# Altium PCB Mainboard.PcbDoc (part 4 of 4)
Units mm, origin at the board's own origin, x right, y up, seen from the top; angles counter-clockwise.
Board outline 90 x 175 mm, 2 copper layers (L1_Top, L14_Bot), stack 1.67 mm thick; 329 components, 192 nets, 950 pads, 1091 vias.
Unrouted connection lines stored in the file: 3.
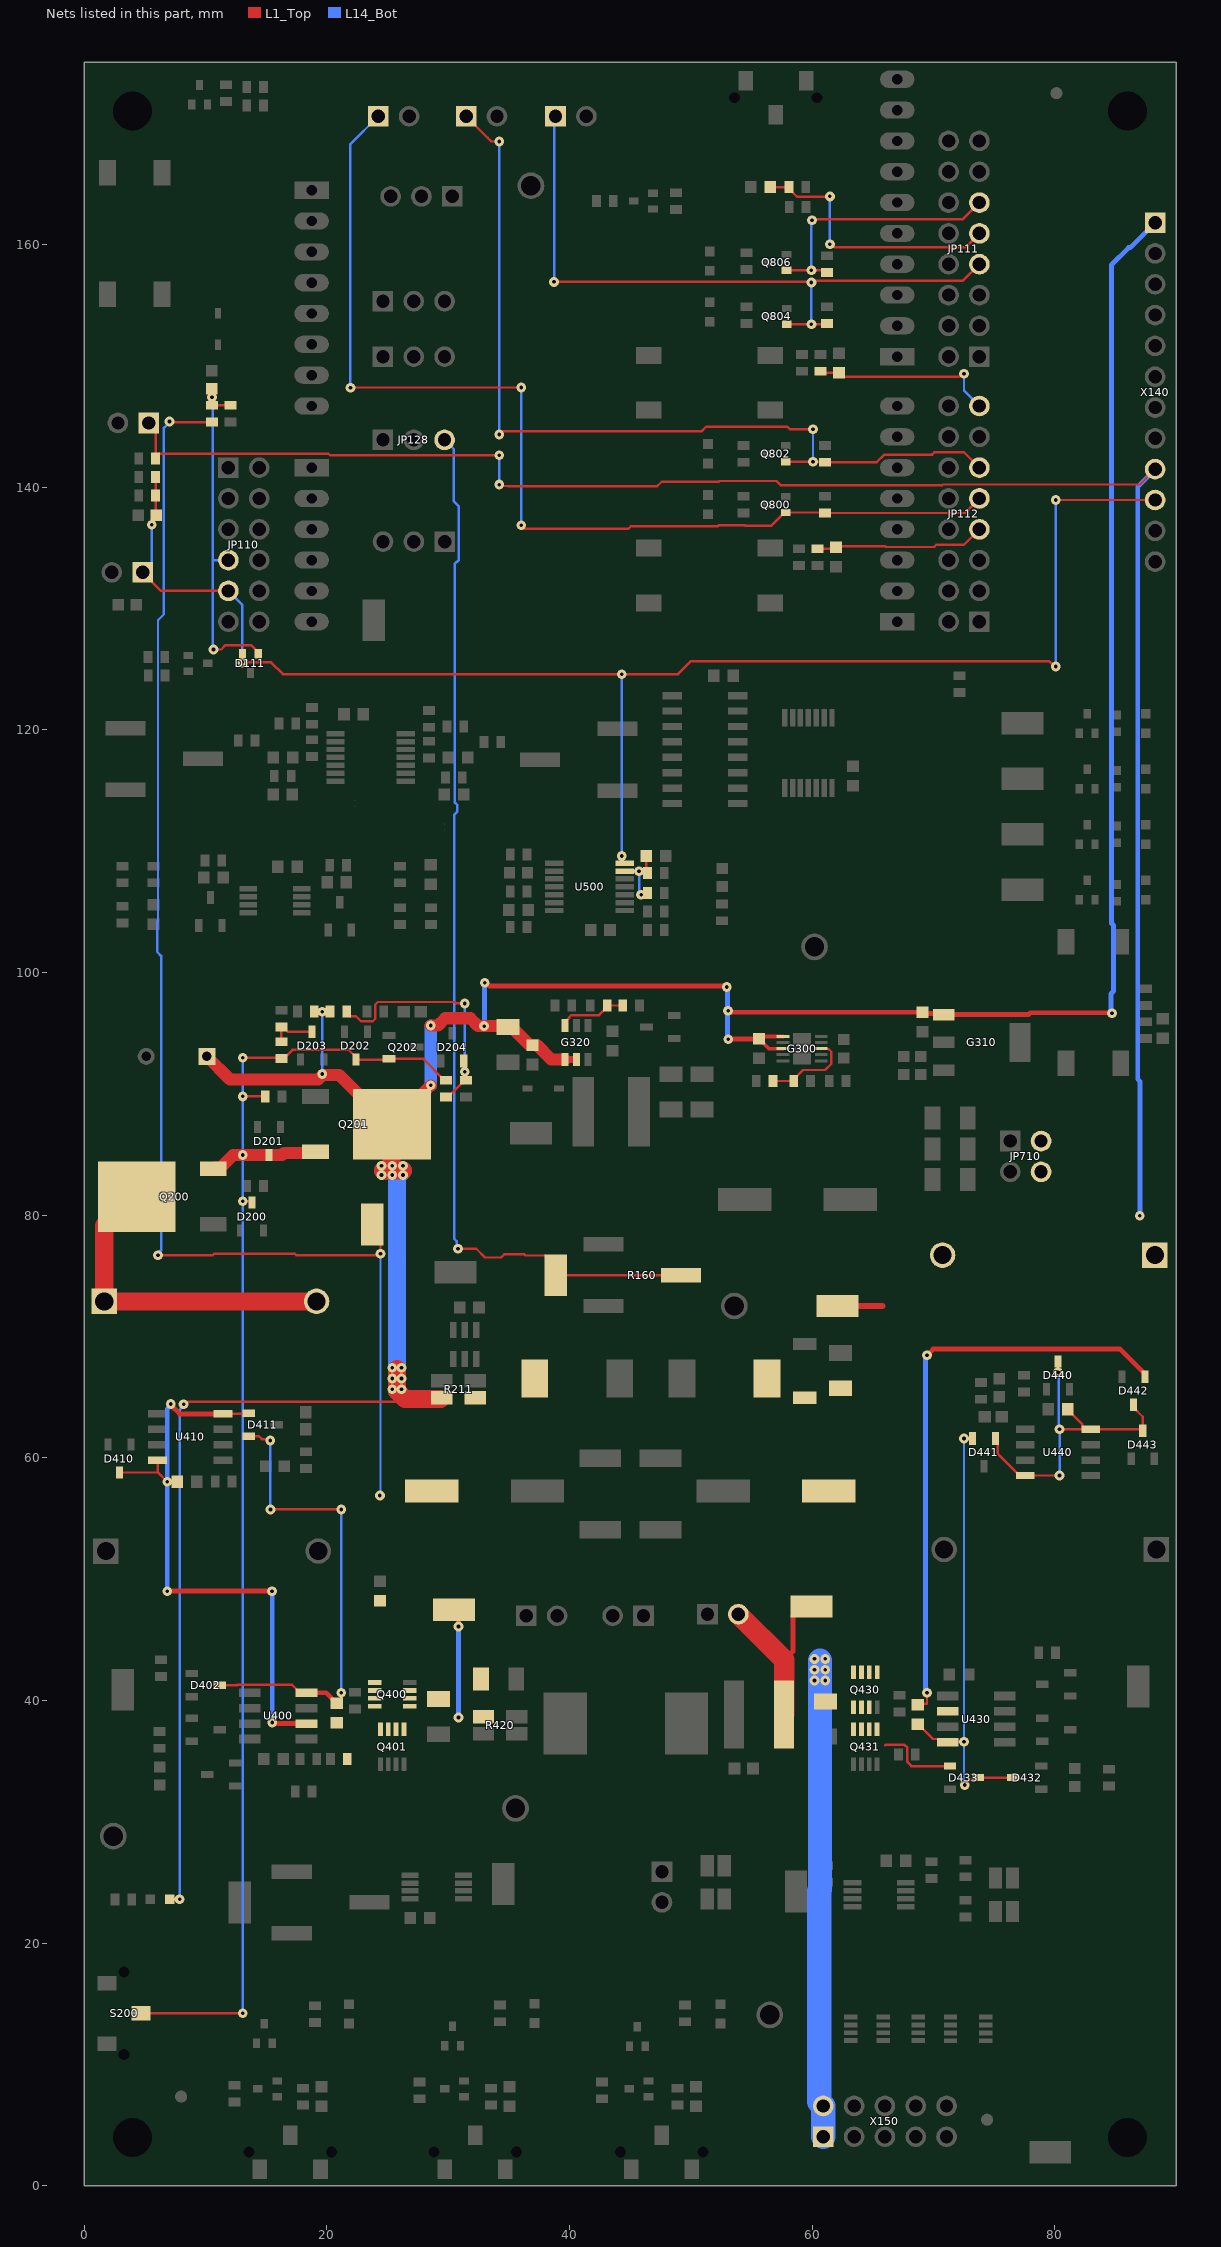
[diagram p4: the nets of this part, all layers, seen from the top]

## Via types
v1: diameter 0.8, hole 0.3, L1_Top to L14_Bot, tented both sides, 1083 vias
v2: diameter 1, hole 0.5, L1_Top to L14_Bot, tented both sides, 6 vias
v3: diameter 1.4, hole 0.8, L1_Top to L14_Bot, tented both sides, 2 vias

## Nets (pads, with @x,y where several pads share a name; then routed paths per layer and width w, separated by ;. In a path a pad name is that pad's centre, name@x,y a point inside that pad or via, vN(x,y) a via of type N, cw(c..) or ccw(c..) an arc to the next point about the centre after c; other vN are vias at no path point) (continued)
TL431_Ref: D204.2 R206.1 R207.2 R208.1 | length 21
  L1_Top w0.2: R208.1@21.645,96.774 21.645,96.653 21.905,96.393 22.415,96.393 22.829,95.979 23.797,95.979 24.003,96.185 24.003,97.363 24.209,97.569 30.569,97.569 30.669,97.469 31.348,97.469 v1(31.369,97.448) ; R206.1@29.845,89.734 29.98,89.734 31.1,90.854 31.236,90.854 R207.2@31.496,91.114 v1@31.496,91.821 ; D204.2@31.303,92.703 31.369,92.637 v1(31.369,91.821)
  L14_Bot w0.2: v1(31.369,91.821) v1(31.369,97.448)
UserBtn1: C811.2 JP112.7 R811.1 | length 14
  L1_Top w0.2: R811.1@60.446,134.929 61.866,134.929 62.051,135.114 66.042,135.114 66.093,135.063 70.039,135.063 70.231,135.255 72.517,135.255 JP112.7@73.787,136.525
UserBtn2: C813.2 JP112.15 R813.1 | length 15.4
  L1_Top w0.2: R813.1@60.706,149.551 60.816,149.441 C813.2@62.224,149.441 62.567,149.098 72.101,149.098 72.355,149.352 v1(72.517,149.352)
  L14_Bot w0.2: v1(72.517,149.352) 72.517,147.955 73.66,146.812 73.66,146.685 JP112.15@73.787,146.685
UserLED1: JP112.9 JP125.1 Q800.1 R800.2 | length 87.8
  L1_Top w0.2: v1(21.954,148.192) 21.971,148.209 v1(36.025,148.209) ; v1(36.025,136.863) 36.025,136.701 36.157,136.569 36.157,136.563 44.848,136.563 45.05,136.765 52.209,136.765 52.288,136.844 54.459,136.844 54.471,136.832 56.642,136.832 57.717,137.907 Q800.1@57.817,137.907 61.041,137.907 R800.2@61.081,137.867 72.589,137.867 JP112.9@73.787,139.065
  L14_Bot w0.2: v1(21.954,148.192) 21.971,148.209 21.954,148.226 21.954,168.264 JP125.1@24.251,170.561 ; v1(36.025,136.863) v1(36.025,148.209)
UserLED2: JP112.11 JP126.1 Q802.1 R802.2 | length 73.5
  L1_Top w0.2: JP126.1@31.49,170.561 33.27,168.781 33.567,168.484 v1(34.228,168.484) ; v1(34.225,144.334) 34.479,144.588 50.873,144.588 51.257,144.972 57.971,144.972 58.163,144.78 v1(60.071,144.78) ; Q802.1@57.817,142.098 v1(60.071,142.098) 61.041,142.098 R802.2@61.081,142.058 65.328,142.058 65.953,142.683 69.886,142.683 70.078,142.875 72.517,142.875 JP112.11@73.787,141.605
  L14_Bot w0.2: v1(34.225,144.334) 34.225,168.481 v1(34.228,168.484) ; v1(60.071,142.098) v1(60.071,144.78)
UserLED3: JP111.7 JP127.1 Q804.1 R804.2 | length 56.2
  L1_Top w0.2: v1(38.735,156.91) 59.897,156.91 v1(59.944,156.863) ; Q804.1@57.906,153.416 v1(59.944,153.416) 61.136,153.416 R804.2@61.208,153.488 ; v1@59.897,156.863 60.106,156.863 60.262,157.019 72.437,157.019 JP111.7@73.787,158.369
  L14_Bot w0.2: v1(38.735,156.91) 38.735,170.44 JP127.1@38.856,170.561 ; v1(59.944,153.416) v1(59.944,156.863)
UserLED4: JP111.11 Q806.1 R806.2 | length 21.9
  L1_Top w0.2: Q806.1@57.898,157.863 v1(59.944,157.863) 61.024,157.863 R806.2@61.208,157.679 ; v1(59.989,161.989) 60.059,162.059 72.397,162.059 JP111.11@73.787,163.449
  L14_Bot w0.2: v1(59.944,157.863) 59.944,161.944 v1(59.989,161.989)
UserPoti: JP128.3 R160.2 TP160.1 | length 87.6
  L1_Top w0.2: v1(30.818,77.236) 32.322,77.236 33.043,76.515 34.377,76.515 34.635,76.773 36.291,76.773 36.382,76.682 38.037,76.682 38.862,75.857 TP160.1@38.862,75.057 R160.2@49.199,75.057
  L14_Bot w0.2: JP128.3@29.712,143.891 30.48,143.123 30.48,138.82 30.868,138.432 30.868,133.951 30.751,133.834 30.702,133.834 30.561,133.692 30.561,114.006 30.746,113.822 30.746,113.242 30.518,113.014 30.518,78.036 30.703,77.851 30.703,77.351 v1(30.818,77.236)
UserSw: C814.2 JP111.9 R814.1 | length 22.2
  L1_Top w0.2: C814.2@56.547,164.719 R814.1@58.105,164.719 58.105,164.584 58.765,163.924 61.435,163.924 v1(61.468,163.957) ; v1(61.468,160.02) 61.63,160.02 61.891,159.759 72.637,159.759 JP111.9@73.787,160.909
  L14_Bot w0.2: v1(61.468,160.02) v1(61.468,163.957)
VA: G300.8 R302.1 R303.2 | length 7.4
  L1_Top w0.2: R303.2@56.769,91.059 R302.1@58.492,91.059 58.492,91.194 59.262,91.964 61.064,91.964 61.574,92.475 61.574,93.473 61.348,93.699 60.774,93.699 G300.8@60.749,93.724
VB_Boost: C432.2 D432.3 D433.3 D441.2 U430.8 | length 38
  L1_Top w0.2: C432.2@68.701,38.062 68.726,38.062 69.952,36.836 70.933,36.836 U430.8@71.193,36.576 71.233,36.616 v1(72.517,36.616) ; v1(72.517,61.595) 73.205,61.595 D441.2@73.212,61.602 ; v1(72.586,33.048) 73.047,33.509 73.521,33.509 D433.3@73.667,33.655 74.803,33.655 D432.3@76.574,33.655
  L14_Bot w0.2: v1(72.517,61.595) v1(72.517,36.616) 72.517,33.147 72.586,33.078 v1(72.586,33.048)
VB_Buck: C402.2 D402.3 D411.2 U400.8 | length 39.9
  L1_Top w0.2: D402.3@11.176,41.275 12.617,41.275 12.642,41.3 17.146,41.3 17.806,40.64 U400.8@18.336,40.64 ; D411.2@13.582,61.788 14.421,61.788 14.656,61.553 15.232,61.553 v1(15.347,61.438) ; v1(15.367,55.753) v1(21.209,55.753) ; C402.2@20.797,39.789 C402.2@20.822,39.789 20.834,39.789 21.209,40.164 v1(21.209,40.64)
  L1_Top w0.4: U400.8@18.336,40.64 19.946,40.64 C402.2@20.797,39.789
  L14_Bot w0.2: v1(15.347,61.438) 15.347,55.773 v1(15.367,55.753) ; v1(21.209,40.64) v1(21.209,55.753)
Vcc_555_Boost: C440.2 D440.3 D441.1 D442.3 D443.3 U440.4 U440.8 | length 28.2
  L1_Top w0.2: D441.1@75.112,61.602 75.312,61.402 75.312,60.318 77.083,58.547 U440.4@77.558,58.547 v1(80.391,58.547) ; v1(80.264,67.056) D440.3@80.264,67.952 ; v1(80.391,62.357) U440.8@82.483,62.357 ; C440.2@81.058,64.008 81.058,63.983 82.283,62.758 82.283,62.557 U440.8@82.483,62.357 ; D442.3@86.487,64.382 86.487,64.157 87.249,63.395 D443.3@87.249,62.237 87.129,62.357 U440.8@82.958,62.357 U440.8@82.483,62.357
  L14_Bot w0.2: v1(80.264,67.056) 80.328,66.992 80.328,62.42 v1(80.391,62.357) v1(80.391,58.547)
VFB: G320.3 R320.2 R321.2 | length 5.7
  L1_Top w0.2: G320.3@39.629,95.637 39.629,95.887 39.979,96.237 39.979,96.311 40.155,96.487 42.448,96.487 43.108,97.147 R321.2@43.108,97.282 R320.2@44.395,97.282
Vin: C212.1 C213.2 C220.2 C404.2 D211.1 Q400.5 Q400.6 Q400.7 Q400.8 R211.1 R220.1 TP211.1 | length 114.1
  L1_Top w0.2: v1(6.096,76.708) 10.602,76.708 10.708,76.815 17.378,76.815 17.485,76.708 24.431,76.708 24.431,78.406 24.511,78.486 TP211.1@23.749,79.248 ; v1(7.047,145.41) 7.097,145.36 R220.1@10.541,145.36
  L14_Bot w0.2: v1(6.096,76.708) 6.096,76.87 6.35,77.124 6.35,101.372 6.031,101.691 6.031,104.176 6.096,104.241 6.096,129.032 6.585,129.521 6.585,144.883 7.047,145.345 v1(7.047,145.41) ; v1(24.384,56.896) 24.431,56.943 v1(24.431,76.815)
Vin_Meas: C221.2 D111.1 JP110.7 R220.2 R221.2 | length 29.2
  L1_Top w0.2: C221.2@10.541,148.094 v1(10.541,147.417) R220.2@10.541,146.74 R221.2@12.065,146.74 ; v1(10.668,126.619) 11.303,126.619 11.66,126.976 13.766,126.976 14.366,126.376 D111.1@14.366,126.276
  L14_Bot w0.2: v1(10.541,147.417) 10.605,147.353 10.605,133.985 ; v1(10.668,126.619) 10.605,126.682 10.605,133.985 ; JP110.7@11.898,133.985 10.605,133.985
Vin_Raw: Q200.2 X100.1 X100.2 | length 27.6
  L1_Top w1.5: Q200.2@4.191,81.382 Q200.2@4.343,81.534 4.043,81.534 1.664,79.155 X100.1@1.664,72.898 X100.2@19.164,72.898
Vin_RevPol: D200.3 D201.3 D202.3 Q200.3 Q201.3 Q202.2 R202.2 R205.2 R206.2 S200.2 | length 117.1
  L1_Top w0.2: S200.2@4.696,14.224 v1(13.081,14.224) ; v1(13.081,81.153) 13.723,81.153 D200.3@13.843,81.033 ; v1(13.081,89.789) R205.2@14.931,89.789 ; v1(13.081,92.964) 16.201,92.964 R202.2@16.256,92.909 16.516,93.169 16.715,93.169 17.169,93.623 21.813,93.623 22.413,93.023 D202.3@22.413,92.823 25.059,92.823 Q202.2@25.139,92.903 27.921,92.903 29.71,91.114 R206.2@29.845,91.114
  L1_Top w1: Q200.3@10.643,83.814 10.743,83.914 11.243,83.914 12.292,84.963 v1(13.081,84.963) 13.088,84.956 16.308,84.956 16.475,85.123 18.975,85.123 Q201.3@19.075,85.223
  L14_Bot w0.2: v1(13.081,14.224) v1(13.081,81.153) v1(13.081,84.963) v1(13.081,89.789) v1(13.081,92.964)
Vin_VoltReg: C210.1 C300.2 C310.2 C320.2 C321.2 D210.2 G300.1 G300.3 G310.1 G320.4 G320.5 Q201.2 R204.2 R208.2 R211.2 X140.1 | length 273
  L1_Top w0.2: D210.2@7.061,23.622 v1(7.874,23.622) ; v1(8.205,64.427) 8.368,64.427 8.584,64.643 26.238,64.643 26.454,64.859 ; v1(19.622,91.63) v1@19.685,91.567
  L1_Top w0.3: G300.3@57.599,93.724 56.453,93.724 55.651,94.526 C300.2@55.626,94.526 55.824,94.724 G300.1@57.599,94.724
  L1_Top w0.4: R204.2@18.978,96.774 v1(19.622,96.774) R208.2@20.265,96.774 ; v1(33.02,99.148) 33.128,99.148 33.399,98.877 52.888,98.877 v1(52.959,98.806) ; v1@52.959,96.957 53.193,96.723 C310.2@69.088,96.723 69.183,96.629 70.644,96.629 70.739,96.534 77.831,96.534 77.982,96.685 84.671,96.685 v1(84.709,96.647) ; v1(53.086,94.488) 53.105,94.507 55.607,94.507 C300.2@55.626,94.526
  L1_Top w0.6: G320.4@39.629,92.837 G320.5@40.579,92.837
  L1_Top w1: C210.1@10.12,93.091 12.025,91.186 19.304,91.186 19.685,91.567 21.011,91.567 25.075,87.503 Q201.2@25.375,87.503 25.675,87.503 28.075,89.903 28.075,90.203 v1(28.575,90.703) ; v1(28.575,95.631) 29.166,95.631 29.763,96.228 31.832,96.228 32.475,95.585 v1(32.969,95.585) 34.844,95.585 C321.2@34.925,95.504 35.225,95.504 36.711,94.018 C320.2@36.957,94.018 37.322,94.018 38.503,92.837 G320.4@39.629,92.837
  L1_Top w1.5: 24.638,83.693 v1@26.289,83.693 ; Q201.2@24.638,86.741 Q201.2@25.273,87.376 ; v1@25.344,83.735 Q201.2@25.344,86.783 ; 25.781,67.31 25.781,65.532 26.454,64.859 R211.2@29.361,64.859
  L14_Bot w0.2: v1(7.874,23.622) 7.874,63.933 8.205,64.265 v1(8.205,64.427) ; v1(19.622,91.63) v1(19.622,96.774)
  L14_Bot w0.4: v1(32.969,95.585) 32.995,95.61 32.995,99.123 v1(33.02,99.148) ; v1(52.959,98.806) 53.023,98.742 53.023,94.551 v1(53.086,94.488) ; v1(84.709,96.647) 84.633,96.723 84.633,98.248 84.84,98.456 84.84,103.882 84.671,104.051 84.671,158.319 86.085,159.734 86.201,159.734 X140.1@88.265,161.798
  L14_Bot w1: v1(28.575,90.703) v1(28.575,95.631)
  L14_Bot w1.5: 24.638,83.693 26.289,83.693 25.781,83.185 25.781,65.532
  other v1: 25.4,65.659 26.162,65.659 25.4,66.548 26.162,66.548 25.4,67.437 26.162,67.437 24.511,83.312 25.4,83.312 26.289,83.312 24.511,84.074 25.4,84.074 26.289,84.074 53.076,96.84
Volt_Thresh: C503.2 R502.2 R503.1 U500.6 | length 5.8
  L1_Top w0.2: U500.6@44.556,108.361 v1@45.72,108.361 ; v1(45.74,108.35) 45.72,108.331 v1@45.72,108.361 ; v1(45.906,106.414) 46.288,106.414 R502.2@46.427,106.553 ; C503.2@46.323,109.601 46.323,108.308 46.27,108.361 v1@45.72,108.361
  L14_Bot w0.2: v1@45.72,108.33 v1(45.74,108.35) 45.74,106.531 45.857,106.414 v1(45.906,106.414)
Vout: C434.2 C700.2 C701.1 D730.1 D731.1 JP710.2 JP710.4 Q430.5 Q430.6 Q430.7 Q430.8 R720.2 TP432.1 X102.1 X102.2 X140.9 X150.1 X150.2 X720.1 | length 194.3
  L1_Top w0.2: X720.1@5.334,145.288 5.897,144.725 R720.2@5.897,142.495 ; R720.2@5.897,142.367 R720.2@5.897,142.495 ; v1(34.225,140.208) 34.34,140.093 34.949,140.093 34.961,140.081 47.244,140.081 47.606,140.443 52.301,140.443 52.365,140.507 57.061,140.507 57.425,140.143 70.699,140.143 70.771,140.215 87.002,140.215 X140.9@88.265,141.478 ; v1(34.225,142.621) 20.279,142.621 20.145,142.755 6.157,142.755 R720.2@5.897,142.495
  L1_Top w0.5: TP432.1@62.103,72.517 65.786,72.517
  L14_Bot w0.2: v1(34.225,140.208) v1(34.225,142.621)
  L14_Bot w0.4: v1(86.995,79.959) 87.033,79.997 87.033,91.009 86.833,91.209 86.833,140.046 X140.9@88.265,141.478
  L14_Bot w2: 60.657,43.307 60.657,24.414 60.581,24.338 60.581,6.935 X150.2@60.92,6.596 X150.1@60.92,4.056
  other v1: 60.198,41.656 61.087,41.656 60.198,42.545 61.087,42.545 60.198,43.434 61.087,43.434
Vout_Meas: C722.2 D111.2 JP110.9 JP723.1 R721.2 R722.2 U500.7 X140.10 | length 128.9
  L1_Top w0.2: JP723.1@4.826,132.975 6.356,131.445 JP110.9@11.898,131.445 ; v1(5.588,136.906) 5.588,137.299 C722.2@5.957,137.668 5.897,137.728 R721.2@5.897,140.843 ; D111.2@13.066,126.276 13.052,126.262 v1(13.052,125.553) 15.417,125.553 16.383,124.587 v1(44.323,124.587) 48.958,124.587 50.031,125.66 79.523,125.66 79.961,125.222 v1(80.075,125.222) ; v1(44.323,109.601) 44.323,109.136 44.448,109.011 U500.7@44.556,109.011 ; v1(80.075,138.938) X140.10@88.265,138.938
  L14_Bot w0.2: JP723.1@4.826,132.975 5.576,133.725 5.576,135.171 5.588,135.183 v1(5.588,136.906) ; JP110.9@11.898,131.445 13.052,130.291 v1(13.052,125.553) ; v1(44.323,109.601) v1(44.323,124.587) ; v1(80.075,125.222) v1(80.075,138.938)
VS_Boost: C432.1 D433.1 D442.1 JP421.2 L421.2 Q430.1 Q430.2 Q430.3 Q431.5 Q431.6 Q431.7 Q431.8 TP431.1 U430.6 | length 71.2
  L1_Top w0.2: 66.04,36.322 66.073,36.355 67.612,36.355 67.848,36.119 67.848,34.941 68.184,34.605 D433.1@71.367,34.605 ; C432.1@68.707,39.668 68.78,39.741 69.469,39.741 v1(69.469,40.64)
  L1_Top w0.4: 57.701,43.34 58.419,44.058 58.419,47.027 59.144,47.752 TP431.1@59.944,47.752 ; v1(69.469,68.453) 69.977,68.961 85.383,68.961 87.437,66.907 D442.1@87.437,66.682
  L1_Top w1.7: JP421.2@53.924,47.117 57.701,43.34 L421.2@57.701,38.862
  L14_Bot w0.4: v1(69.469,40.64) 69.392,40.717 69.392,40.999 69.342,41.05 69.342,68.218 69.469,68.345 v1(69.469,68.453)
VS_Buck: C402.1 C410.2 D410.3 D411.1 Q400.1 Q400.2 Q400.3 Q401.5 Q401.6 Q401.7 Q401.8 R402.1 R420.1 TP401.1 U400.6 U410.4 U410.8 | length 59.9
  L1_Top w0.2: D410.3@2.921,58.794 6.103,58.794 ; U410.8@6.063,59.817 6.063,58.834 6.103,58.794 ; v1(6.858,58.039) 6.103,58.794 ; U410.4@11.463,63.627 13.521,63.627 D411.1@13.582,63.688
  L1_Top w0.4: v1(6.858,49.022) v1(15.494,49.022) ; v1(6.858,58.039) C410.2@7.671,58.039 ; v1(7.142,64.445) 7.142,64.359 7.874,63.627 U410.4@11.463,63.627 ; v1(15.517,38.197) 15.614,38.1 15.621,38.1 U400.6@18.336,38.1 ; TP401.1@30.48,47.498 30.861,47.117 v1(30.861,46.101)
  L14_Bot w0.4: v1(6.858,49.022) 6.858,64.053 7.142,64.336 v1(7.142,64.445) ; v1(15.494,49.022) 15.517,48.999 v1(15.517,38.197) ; v1(30.861,38.608) v1(30.861,46.101)
Zener_20V: D203.3 R202.1 R203.2 | length 3.9
  L1_Top w0.2: R202.1@16.256,94.289 R203.2@16.256,95.504 16.391,95.504 16.772,95.123 D203.3@18.796,95.123
pads on no net: D200.2 D201.2 D202.2 D203.2 D321.2 D402.2 D405.2 D410.2 D432.2 D433.2 D435.2 D440.2 D442.2 D443.2 E100.1 E101.1 E102.1 G300.2 G300.4 G300.6 G300.7 G300.10 JP112.1 JP112.3 MP100. MP101. MP102. MP103. R524.3 R531.3 S200. S200.3 S750. S751. S752. S814. U410.5 U410.7 U440.5 U440.7 U540.13 U570.6 U570.8 U630.1 U630.5 U630.8 X110.1A X110.2A X110.4A X110.8A X110.9C X110.10C

## Polygon pours and split planes (outlines as drawn)
GND on L1_Top "GND_Top" (solid, remove dead copper, pour order 26): 0,0 90,0 90,175 0,175
H-Bridge_neg on L1_Top "H-Bridge_neg" (solid, pour order 12): 28.06,35.687 28.06,38.082 30.36,38.082 30.36,35.694 30.353,35.687 45.72,35.687 47.625,33.782 57.658,33.782 60.071,36.195 60.071,37.719 62.484,37.719 62.484,36.068 62.854,35.698 65.14,35.698 65.151,35.687 65.151,32.639 61.976,32.639 54.356,25.019 51.943,25.019 51.943,27.432 51.181,28.194 47.117,28.194 42.926,32.385 30.607,32.385 30.099,31.877 23.368,31.877 23.368,35.687
Out_neg on L1_Top "Out_neg_04" (solid, pour order 24): 72.39,12.192 58.674,12.192 58.674,14.351 60.96,16.637 75.565,16.637 77.216,18.288 79.248,18.288 79.248,14.224 72.39,14.224
Out_neg on L1_Top "Out_neg_1" (solid, pour order 20): 75.692,24.003 78.105,24.003 81.534,24.003 81.534,28.702 78.105,28.702 75.692,26.289
Out_neg on L1_Top "Out_neg_03" (solid, pour order 22): 69.215,54.483 90.17,54.483 90.17,50.292 90.297,50.165 69.215,50.165
Vout on L1_Top "Vout" (solid, pour order 18): 58.166,56.007 58.166,61.087 58.066,61.187 54.61,64.643 54.61,68.58 54.991,68.961 57.404,68.961 59.309,67.056 64.135,67.056 64.389,67.31 64.389,77.343 65.913,78.867 73.787,78.867 77.597,82.677 77.597,87.503 80.518,87.503 80.645,87.376 80.645,82.677 82.677,80.645 89.916,80.645 89.916,73.279 68.834,73.279 68.834,59.055 66.548,56.769 66.548,38.989 59.69,38.989 59.69,54.483
VS_Boost on L1_Top "VS_Boost" (solid, pour order 16): 69.85,38.608 69.85,38.354 72.771,38.354 72.771,39.878 70.231,39.878 69.469,40.64 61.976,40.64 61.976,39.243 59.944,39.243 59.055,40.132 59.055,42.418 54.61,42.418 54.61,35.179 58.801,35.179 59.563,35.941 59.563,37.338 59.817,37.592 62.484,37.592 62.484,36.068 63.108,35.444 63.108,35.395 65.748,35.395 66.421,36.068 66.421,38.354 66.675,38.608
Vin on L1_Top "Vin" (solid, pour order 15): 37.973,63.5 34.29,63.5 31.877,61.087 31.877,45.085 34.163,42.799 34.163,39.243 26.924,39.243 26.416,38.735 22.86,38.735 22.86,43.18 24.13,44.45 24.13,57.15 30.988,64.008 30.988,65.786 33.655,65.786 34.417,66.548 34.417,67.564 35.814,68.961 38.862,68.961 38.862,64.389
VS_Buck on L1_Top "VS_Buck" (solid, pour order 11): 30.48,37.973 30.734,37.719 34.29,37.719 34.29,39.878 31.115,39.878 30.48,39.243 28.194,39.243 27.813,39.624 27.813,41.275 25.908,41.275 25.908,38.862 19.939,38.862 19.812,38.989 16.891,38.989 16.891,37.211 19.431,37.211 19.431,34.671 22.225,34.671 23.241,35.687 26.797,35.687 27.813,36.703 27.813,37.592 28.194,37.973
no net on Top Overlay "NONET_L01_P-001" (solid): 28.194,161.925 28.194,162.433 32.512,162.433 32.512,161.925 32.131,161.925 32.131,162.179 28.575,162.179 28.575,161.925
no net on Top Overlay "NONET_L01_P-001" (solid): 23.114,160.655 23.114,160.528 27.432,160.528 27.432,160.655
GND on L14_Bot "GND_Bot" (solid, remove dead copper, pour order 25): 0,0 90.043,0 90.043,175.006 0,175.006
Out_neg on L14_Bot "Out_neg_2" (solid, pour order 21): 78.105,19.304 76.835,18.034 76.835,14.351 79.248,14.351 79.248,17.018 81.534,19.304 81.534,49.403 81.534,54.483 78.105,54.483 78.105,49.403

## Keep-outs
Keep-Out Layer:
  the board outline again, w0.5

## Silkscreen, mask and mechanical layers (free items; w line width, h text height)
Top Overlay:
  drawing of 3049 lines, arcs and shapes, not listed
  text "SCL" at 69.209,173.109 h1
  text "Load1" at 23.235,172.085 h1.6
  text "Load2" at 30.474,172.085 h1.6
  text "Load3" at 37.84,172.085 h1.6
  text "SDA" at 69.209,170.569 h1
  text "Off" at 52.445,170.307 h1.8 r90
  text "On" at 63.113,170.307 h1.8 r90
  text "AREF" at 75.819,167.902 h1
  text "UserSw" at 51.054,167.132 h2.3
  text "Boost Cntrl" at 23.235,165.735 h1.6
  text "GND" at 75.813,165.489 h1
  text "NC" at 14.965,163.965 h1
  text "D13" at 75.813,162.949 h1
  text "IOREF" at 12.132,161.425 h1
  text "Vin" at 81.788,161.036 h1.6
  text "Indep" at 23.114,160.655 h1.6
  text "Buck" at 28.194,160.528 h1.6
  text "D12" at 75.813,160.409 h1
  text "RESET" at 11.966,158.885 h1
  text "12 V" at 81.788,158.496 h1.6
  text "Reset" at 9.325,157.861 h1.6 r90
  text "D11" at 75.813,157.869 h1
  text "UserLED4" at 37.078,157.607 h2.3
  text "Cntrl" at 23.235,157.099 h1.6
  text "3.3V" at 13.132,156.345 h1
  text "5 V" at 81.788,155.956 h1.6
  text "D10" at 75.813,155.329 h1
  text "5V" at 14.965,153.805 h1
  text "UserLED3" at 37.078,153.416 h2.3
  text "3.3 V" at 81.788,153.416 h1.6
  text "D9" at 75.813,152.789 h1
  text "uC" at 22.981,152.368 h1.6
  text "Ext" at 28.061,152.368 h1.6
  text "GND" at 13.965,151.265 h1
  text "GND" at 81.788,150.876 h1.6
  text "D8" at 75.813,150.249 h1
  text "GND" at 13.965,148.725 h1
  text "In" at 82.423,148.336 h1.6
  text "UserBtn2" at 37.078,147.32 h2.3
  text "- Netw +" at 1.264,146.812 h1.6
  text "12V" at 14.132,146.185 h1
  text "D7" at 75.813,146.185 h1
  text "Out" at 82.423,145.796 h1.6
  text "A1" at 23.235,145.669 h1.6
  text "D6" at 75.813,143.645 h1
  text "Current" at 81.788,143.51 h1.6 r90
  text "Ind" at 82.423,143.256 h1.6
  text "UserLED2" at 36.951,141.478 h2.3
  text "A0" at 8.361,141.105 h1
  text "D5" at 75.813,141.105 h1
  text "Ind" at 23.108,141.065 h1.6
  text "Pot" at 28.188,141.065 h1.6
  text "Vout" at 80.899,140.716 h1.6
  text "A1" at 8.694,138.565 h1
  text "D4" at 75.813,138.565 h1
  text "Vmeas" at 80.899,138.176 h1.6
  text "ADC NTC" at 23.241,137.287 h1.6
  text "UserLED1" at 36.951,137.287 h2.3
  text "A2" at 8.361,136.025 h1
  text "D3" at 75.813,136.025 h1
  text "Buck" at 80.899,135.636 h1.6
  text "Filter" at 1.264,134.499 h1.6
  text "A3" at 8.361,133.475 h1
  text "D2" at 75.813,133.485 h1
  text "Boost" at 80.899,133.096 h1.6
  text "int" at 23.114,132.683 h1.6
  text "ext" at 28.194,132.683 h1.6
  text "UserBtn1" at 37.078,131.445 h2.3
  text "A4" at 8.361,130.935 h1
  text "D1" at 75.813,130.945 h1
  text "NTC int" at 25.186,129.517 h1.6
  text "A5" at 8.361,128.395 h1
  text "D0" at 75.813,128.405 h1
  text "Latch" at 47.498,125.295 h1.6
  text "Safety Circuit" at 28.702,125.222 h2.3
  text "Over-temperature" at 17.78,122.501 h1.6
  text "OR Gate" at 56.388,122.211 h1.6
  text "Internal" at 2.953,121.191 h1.6
  text "External" at 37.878,121.191 h1.6
  text "Overcurr" at 64.891,119.253 h2.3
  text "Overvolt" at 64.891,114.681 h2.3
  text "Over-current and Over-voltage" at 15.176,110.944 h1.6
  text "Overtemp Int" at 60.065,110.109 h2.3
  text "Overtemp Ext" at 59.557,105.537 h2.3
  text "Fault Reset" at 66.675,101.6 h2.3
  text "Input Protection" at 12.7,99.06 h2.3
  text "5 V Buck" at 37.719,99.06 h2.3
  text "3V3 LDO" at 67.056,97.917 h2.3
  text "12 V LDO" at 54.102,96.901 h2.3
  text "3x 10uF" at 80.518,85.217 h2.3
  text "220uF" at 80.518,82.55 h2.3
  text "User Pot" at 39.116,79.248 h2.3
  text "Vin" at 19.249,78.288 h1.6
  text "Input / Current" at 26.289,77.343 h2.3
  text "Vout" at 55.692,71.684 h1.6
  text "Chargepump" at 70.993,69.215 h2.3
  text "Chargepump" at 1.778,65.278 h2.3
  text "- Vout +" at 68.58,59.309 h3.2 r90
  text "- Vin +" at 25.273,57.531 h3.2 r90
  text "VS Boost" at 57.746,48.951 h1.6
  text "VS Buck" at 25.996,48.824 h1.6
  text "ESR / Cin" at 35.427,48.641 h1.6
  text "ESR / Cout" at 42.539,48.641 h1.6
  text "Inductor" at 49.657,48.641 h1.6
  text "Boost Switching" at 67.183,44.958 h2.3
  text "Buck Switching" at 3.81,44.831 h2.3
  text "Boost IN" at 87.701,32.346 h1.6 r90
  text "Buck IN" at 4.008,32.238 h1.6 r90
  text "NTC" at 53.467,31.75 h2
  text "Switch Current" at 38.481,28.194 h2.3
  text "Output Current" at 59.182,28.067 h2.3
  text "Inductor Current" at 13.462,27.813 h2.3
  text "Shunt+" at 40.011,25.13 h1.6
  text "Shunt-" at 40.011,22.59 h1.6
  text "Curr" at 33.274,21.59 h0.8
  text "CIP" at 11.811,20.066 h0.8
  text "Power" at 0.889,19.431 h2.3
  text "Load Resistor Switching" at 30.48,16.637 h2.3
  text "Off" at 8.382,14.605 h2.3 r90
  text "On" at 8.382,9.779 h2.3 r90
  text "Load1" at 23.082,5.08 h2.3 r90
  text "Load2" at 38.322,5.08 h2.3 r90
  text "Load3" at 53.689,5.08 h2.3 r90
  text "NTC ext" at 79.573,4.067 h1.6 r90
  text "Off" at 12.414,1.016 h1.8 r90
  text "On" at 23.082,1.016 h1.8 r90
  text "Off" at 27.654,1.016 h1.8 r90
  text "On" at 38.322,1.016 h1.8 r90
  text "Off" at 43.021,1.016 h1.8 r90
  text "On" at 53.689,1.016 h1.8 r90
Bottom Overlay:
  lines w0.254: 31.873,140.073 32.258,138.773 ; 53.086,151.638 60.579,151.638
  text "UserLED4" at 60.585,162.949 h1
  text "D13" at 64.268,162.949 h1
  text "UserSwitch" at 60.585,160.409 h1
  text "D12" at 64.268,160.409 h1
  text "UserLED3" at 60.585,157.869 h1
  text "D11" at 64.268,157.869 h1
  text "Curr. Blanking" at 60.585,155.496 h1
  text "D10" at 64.268,155.329 h1
  text "Boost_Cntrl" at 60.579,152.872 h1
  text "D9" at 64.262,152.789 h1
  text "Shutdown" at 60.579,150.249 h1
  text "D8" at 64.262,150.249 h1
  text "UserBtn2" at 60.712,146.185 h1
  text "D7" at 64.522,146.185 h1
  text "Buck_Cntrl" at 60.712,143.728 h1
  text "D6" at 64.522,143.645 h1
  text "Input Curr." at 34.347,141.272 h1
  text "A0" at 22.86,141.105 h1
  text "UserLED2" at 60.712,141.105 h1
  text "D5" at 64.522,141.105 h1
  text "A1" at 22.86,138.946 h1
  text "Ind. Curr.  UserPot" at 42.345,138.946 h1
  text "UserLED1" at 60.712,138.565 h1
  text "D4" at 64.522,138.565 h1
  text "Output Curr." at 35.22,136.954 h1
  text "A2" at 22.86,136.787 h1
  text "UserBtn1" at 60.712,136.025 h1
  text "D3" at 64.522,136.025 h1
  text "Ind. Overcurr." at 60.712,133.485 h1
  text "D2" at 64.522,133.485 h1
  text "Vin_Meas" at 32.015,133.051 h1
  text "A3" at 22.86,132.977 h1
  text "NC" at 60.712,130.945 h1
  text "D1" at 64.522,130.945 h1
  text "Vout_Meas" at 33.014,130.765 h1
  text "A4" at 22.86,130.691 h1
  text "A5" at 22.86,128.405 h1
  text "Thermistor" at 33.681,128.395 h1
  text "NC" at 60.712,128.405 h1
  text "D0" at 64.522,128.405 h1
  text ".PRJ_Title / .PRJ_PCB_Revision .PRJ_Year" at 73.406,111.014 h1.5
M3 (ASY_Text_Top):
  drawing of 12 lines, arcs and shapes, not listed
  text ".PRJ_Address1" at 266.948,-14.986 h3
  text ".PRJ_Title" at 266.694,-18.288 h4
  text ".PRJ_PCB_Revision" at 266.694,-21.336 h2
  text ".PRJ_Year" at 273.044,-21.336 h2
M5 (Sheet_Top):
  drawing of 56 lines, arcs and shapes, not listed
  text "1" at -30.66,214 h2
  text "2" at 19.34,214 h2
  text "3" at 69.34,214 h2
  text "4" at 119.34,214 h2
  text "5" at 169.34,214 h2
  text "6" at 219.34,214 h2
  text "7" at 269.34,214 h2
  text "8" at 319.34,214 h2
  text "A" at -53.66,182.5 h2
  text "A" at 341.34,182.5 h2
  text "B" at -53.66,112.5 h2
  text "B" at 341.34,112.5 h2
  text "C" at -53.66,42.5 h2
  text "C" at 341.34,42.5 h2
  text "ENGINEER:" at 226.31,-26.5 h1.2
  text "TITLE:" at 264.41,-26.5 h1.2
  text "D" at -53.66,-27.5 h2
  text "D" at 341.34,-27.5 h2
  text "PCB DESIGNER:" at 226.31,-34 h1.2
  text "Learning Platform for / Switching Regulators" at 266.04,-36.8 h3
  text ".PRJ_PCBDesigner" at 227.34,-38.5 h2
  text "DATE:" at 226.31,-41.5 h1.2
  text "PART NO.:" at 264.41,-41.5 h1.2
  text "REL:" at 314.34,-41.5 h1.2
  text "REV:" at 327.34,-41.5 h1.2
  text ".PRJ_Organization" at 183.504,-44.5 h2
  text ".PRINT_DATE" at 227.34,-45.5 h2
  text ".PRJ_PCB_Release" at 315.34,-45.5 h2
  text ".PRJ_PCB_Revision" at 328.34,-45.5 h2
  text ".PRJ_Address1" at 194.34,-47.5 h2
  text "SVN REVISION:" at 226.31,-49 h1.2
  text "FILE NAME:" at 264.41,-49 h1.2
  text "APRV:" at 314.34,-49 h1.2
  text "SCALE:" at 327.34,-49 h1.2
  text "Am Campeon 1-12" at 188.946,-50.5 h2
  text ".VersionControl_RevNumber" at 227.34,-52.5 h2
  text ".PCB_FILE_NAME_NO_PATH" at 265.34,-52.5 h2
  text ".PRJ_PCBApprovedBy" at 315.34,-52.5 h2
  text "1:1" at 330.34,-52.5 h2
  text "85579 NEUBIBERG - GERMANY" at 180.89,-53.5 h2
  text "C" at 225.64,-56.35 h0.9
  text ".PRJ_Copyright" at 227.34,-56.5 h1.2
  text "1" at -30.66,-61 h2
  text "2" at 19.34,-61 h2
  text "3" at 69.34,-61 h2
  text "4" at 119.34,-61 h2
  text "5" at 169.34,-61 h2
  text "6" at 219.34,-61 h2
  text "7" at 269.34,-61 h2
  text "8" at 319.34,-61 h2
M6 (Sheet_Bot):
  drawing of 56 lines, arcs and shapes, not listed
  text "8" at -30.66,214 h2
  text "7" at 19.34,214 h2
  text "6" at 69.34,214 h2
  text "5" at 119.34,214 h2
  text "4" at 169.34,214 h2
  text "3" at 219.34,214 h2
  text "2" at 269.34,214 h2
  text "1" at 319.34,214 h2
  text "A" at -52.66,182.5 h2
  text "A" at 342.34,182.5 h2
  text "B" at -52.66,112.5 h2
  text "B" at 342.34,112.5 h2
  text "C" at -52.66,42.5 h2
  text "C" at 342.34,42.5 h2
  text "TITLE:" at 24.27,-26.5 h1.2
  text "ENGINEER:" at 62.37,-26.5 h1.2
  text "D" at -52.66,-27.5 h2
  text "D" at 342.34,-27.5 h2
  text "PCB DESIGNER:" at 62.37,-34 h1.2
  text "Learning Platform for / Switching Regulators" at 22.64,-36.8 h3
  text ".PRJ_PCBDesigner" at 61.34,-38.5 h2
  text "REV:" at -38.66,-41.5 h1.2
  text "REL:" at -25.66,-41.5 h1.2
  text "PART NO.:" at 24.27,-41.5 h1.2
  text "DATE:" at 62.37,-41.5 h1.2
  text ".PRJ_Organization" at 105.176,-44.5 h2
  text ".PRJ_PCB_Revision" at -39.66,-45.5 h2
  text ".PRJ_PCB_Release" at -26.66,-45.5 h2
  text ".PRINT_DATE" at 61.34,-45.5 h2
  text ".PRJ_Address1" at 94.34,-47.5 h2
  text "SCALE:" at -38.66,-49 h1.2
  text "APRV:" at -25.66,-49 h1.2
  text "FILE NAME:" at 24.27,-49 h1.2
  text "SVN REVISION:" at 62.37,-49 h1.2
  text "Am Campeon 1-12" at 99.734,-50.5 h2
  text "1:1" at -41.66,-52.5 h2
  text ".PRJ_PCBApprovedBy" at -26.66,-52.5 h2
  text ".PCB_FILE_NAME_NO_PATH" at 23.34,-52.5 h2
  text ".VersionControl_RevNumber" at 61.34,-52.5 h2
  text "85579 NEUBIBERG - GERMANY" at 107.79,-53.5 h2
  text "C" at 63.04,-56.35 h0.9
  text ".PRJ_Copyright" at 61.34,-56.5 h1.2
  text "8" at -30.66,-61 h2
  text "7" at 19.34,-61 h2
  text "6" at 69.34,-61 h2
  text "5" at 119.34,-61 h2
  text "4" at 169.34,-61 h2
  text "3" at 219.34,-61 h2
  text "2" at 269.34,-61 h2
  text "1" at 319.34,-61 h2
M11 (Dimension_Top):
  the board outline again, w0.254
Drill Drawing:
  circle w0.2: c145.798,172.312 r0.5
  circle w0.2: c145.798,172.312 r0.833
  circle w0.2: c145.798,149.812 r0.833
  lines w0.2: 144.965,138.562 145.798,137.729 146.631,138.562 145.798,139.396 144.965,138.562 ; 144.965,141.479 145.798,141.896 146.631,141.479 146.215,142.312 146.631,143.146 145.798,142.729 144.965,143.146 145.381,142.312 144.965,141.479 ; 144.965,145.646 145.381,145.646 145.381,145.229 146.215,145.229 146.215,145.646 146.631,145.646 146.631,146.479 146.215,146.479 146.215,146.896 145.381,146.896 145.381,146.479 144.965,146.479 144.965,145.646 ; 144.965,152.729 146.631,152.729 146.631,154.396 144.965,154.396 144.965,152.729 ; 144.965,156.479 146.631,156.479 146.631,158.146 144.965,158.146 144.965,156.479 ; 144.965,161.896 146.631,161.896 145.798,160.229 144.965,161.896 ; 144.965,163.979 144.965,164.396 145.381,164.812 144.965,165.229 144.965,165.646 145.381,165.646 145.798,165.229 146.215,165.646 146.631,165.646 146.631,165.229 146.215,164.812 146.631,164.396 146.631,163.979 146.215,163.979 145.798,164.396 145.381,163.979 144.965,163.979 ; 144.965,168.146 145.381,168.146 145.798,167.729 146.215,168.146 146.631,168.146 146.215,168.562 146.631,168.979 146.215,168.979 145.798,169.396 145.381,168.979 144.965,168.979 145.381,168.562 144.965,168.146 ; 145.298,156.812 146.298,156.812 146.298,157.812 145.298,157.812 145.298,156.812
  lines w0.381: 143.486,136.604 322.727,136.604 ; 143.486,174.104 322.727,174.104 ; 157.098,132.854 157.098,177.854 ; 173.243,132.854 173.243,177.854 ; 202.385,132.854 202.385,177.854 ; 214.871,132.854 214.871,177.854 ; 233.057,132.854 233.057,177.854 ; 262.638,132.854 262.638,177.854 ; 277.224,132.854 277.224,177.854 ; 295.709,132.854 295.709,177.854 ; 143.486,132.854 322.727,132.854 322.727,177.854 143.486,177.854 143.486,132.854
  text "Drill Legend" at 143.383,177.292 h6
  text "Symbol" at 145.736,175.229 h1.8
  text "Count" at 158.223,175.229 h1.8
  text "Hole Size" at 174.368,175.229 h1.8
  text "Plated" at 203.51,175.229 h1.8
  text "Hole Type" at 215.996,175.229 h1.8
  text "Drill Layer Pair" at 234.182,175.229 h1.8
  text "Via/Pad" at 263.763,175.229 h1.8
  text "Pad Shape" at 278.349,175.229 h1.8
  text "Template" at 296.834,175.229 h1.8
  text "1083" at 158.223,171.479 h1.5
  text "0,300mm (11,81mil)" at 174.368,171.479 h1.5
  text "PTH" at 203.51,171.479 h1.5
  text "Round" at 215.996,171.479 h1.5
  text "L1_Top - L14_Bot" at 234.182,171.479 h1.5
  text "Via" at 263.763,171.479 h1.5
  text "Rounded" at 278.349,171.479 h1.5
  text "v80h30m0mx0" at 296.834,171.479 h1.5
  text "6" at 158.223,167.729 h1.5
  text "0,500mm (19,69mil)" at 174.368,167.729 h1.5
  text "PTH" at 203.51,167.729 h1.5
  text "Round" at 215.996,167.729 h1.5
  text "L1_Top - L14_Bot" at 234.182,167.729 h1.5
  text "Via" at 263.763,167.729 h1.5
  text "Rounded" at 278.349,167.729 h1.5
  text "v100h50m0mx0" at 296.834,167.729 h1.5
  text "4" at 158.223,163.979 h1.5
  text "0,800mm (31,50mil)" at 174.368,163.979 h1.5
  text "PTH" at 203.51,163.979 h1.5
  text "Round" at 215.996,163.979 h1.5
  text "L1_Top - L14_Bot" at 234.182,163.979 h1.5
  text "(Mixed)" at 263.763,163.979 h1.5
  text "(Mixed)" at 278.349,163.979 h1.5
  text "(Mixed)" at 296.834,163.979 h1.5
  text "32" at 158.223,160.229 h1.5
  text "0,850mm (33,47mil)" at 174.368,160.229 h1.5
  text "PTH" at 203.51,160.229 h1.5
  text "Round" at 215.996,160.229 h1.5
  text "L1_Top - L14_Bot" at 234.182,160.229 h1.5
  text "Pad" at 263.763,160.229 h1.5
  text "(Mixed)" at 278.349,160.229 h1.5
  text "(Mixed)" at 296.834,160.229 h1.5
  text "10" at 158.223,156.479 h1.5
  text "0,900mm (35,43mil)" at 174.368,156.479 h1.5
  text "NPTH" at 203.51,156.479 h1.5
  text "Round" at 215.996,156.479 h1.5
  text "L1_Top - L14_Bot" at 234.182,156.479 h1.5
  text "Pad" at 263.763,156.479 h1.5
  text "Rounded" at 278.349,156.479 h1.5
  text "c0hn90m-1p-1" at 296.834,156.479 h1.5
  text "18" at 158.223,152.729 h1.5
  text "1,100mm (43,31mil)" at 174.368,152.729 h1.5
  text "PTH" at 203.51,152.729 h1.5
  text "Round" at 215.996,152.729 h1.5
  text "L1_Top - L14_Bot" at 234.182,152.729 h1.5
  text "Pad" at 263.763,152.729 h1.5
  text "(Mixed)" at 278.349,152.729 h1.5
  text "(Mixed)" at 296.834,152.729 h1.5
  text "85" at 158.223,148.979 h1.5
  text "1,100mm (43,31mil)" at 174.368,148.979 h1.5
  text "PTH" at 203.51,148.979 h1.5
  text "Round" at 215.996,148.979 h1.5
  text "L1_Top - L14_Bot" at 234.182,148.979 h1.5
  text "Pad" at 263.763,148.979 h1.5
  text "(Mixed)" at 278.349,148.979 h1.5
  text "(Mixed)" at 296.834,148.979 h1.5
  text "8" at 158.223,145.229 h1.5
  text "1,500mm (59,06mil)" at 174.368,145.229 h1.5
  text "PTH" at 203.51,145.229 h1.5
  text "Round" at 215.996,145.229 h1.5
  text "L1_Top - L14_Bot" at 234.182,145.229 h1.5
  text "Pad" at 263.763,145.229 h1.5
  text "(Mixed)" at 278.349,145.229 h1.5
  text "(Mixed)" at 296.834,145.229 h1.5
  text "6" at 158.223,141.479 h1.5
  text "1,600mm (62,99mil)" at 174.368,141.479 h1.5
  text "PTH" at 203.51,141.479 h1.5
  text "Round" at 215.996,141.479 h1.5
  text "L1_Top - L14_Bot" at 234.182,141.479 h1.5
  text "Pad" at 263.763,141.479 h1.5
  text "Rounded" at 278.349,141.479 h1.5
  text "c220h160m220p220" at 296.834,141.479 h1.5
  text "4" at 158.223,137.729 h1.5
  text "3,200mm (125,98mil)" at 174.368,137.729 h1.5
  text "NPTH" at 203.51,137.729 h1.5
  text "Round" at 215.996,137.729 h1.5
  text "L1_Top - L14_Bot" at 234.182,137.729 h1.5
  text "Pad" at 263.763,137.729 h1.5
  text "Rounded" at 278.349,137.729 h1.5
  text "c0hn320m-1p-1" at 296.834,137.729 h1.5
  text "1256 Total" at 158.223,133.979 h1.5
Mechanical 32:
  lines w0.02: 246.624,116.778 281.624,116.778 ; 257.124,91.978 257.124,95.978 ; 257.124,93.978 281.624,93.978 ; 257.124,96.478 257.124,100.478 ; 257.124,98.478 281.624,98.478 ; 257.124,100.978 257.124,104.978 ; 257.124,102.978 281.624,102.978 ; 258.624,119.278 258.624,121.278 ; 265.624,96.478 265.624,100.478 ; 265.624,100.978 265.624,104.978 ; 265.624,107.878 265.624,111.878 ; 265.624,116.778 265.624,118.778 ; 269.624,107.878 269.624,111.878 ; 270.624,119.278 270.624,121.278 ; 273.624,91.978 273.624,95.978 ; 273.624,96.478 273.624,100.478 ; 273.624,100.978 273.624,104.978 ; 273.624,105.478 273.624,107.478 ; 273.624,107.878 273.624,111.878 ; 273.624,114.778 273.624,118.778 ; 277.624,91.978 277.624,95.978 ; 277.624,96.478 277.624,100.478 ; 277.624,100.978 277.624,104.978 ; 277.624,105.478 277.624,107.478 ; 277.624,107.878 277.624,111.878 ; 277.624,112.378 277.624,114.378 ; 277.624,114.778 277.624,116.778 ; 246.624,91.978 246.624,95.978 281.624,95.978 281.624,91.978 246.624,91.978 ; 246.624,96.478 246.624,100.478 281.624,100.478 281.624,96.478 246.624,96.478 ; 246.624,100.978 246.624,104.978 281.624,104.978 281.624,100.978 246.624,100.978 ; 246.624,105.478 246.624,107.478 281.624,107.478 281.624,105.478 246.624,105.478 ; 246.624,107.878 246.624,111.878 281.624,111.878 281.624,107.878 246.624,107.878 ; 246.624,112.378 246.624,114.378 281.624,114.378 281.624,112.378 246.624,112.378 ; 246.624,114.778 246.624,118.778 281.624,118.778 281.624,114.778 246.624,114.778 ; 246.624,119.278 281.624,119.278 281.624,121.278 246.624,121.278 246.624,119.278
  lines w0.15: 143.244,91.415 ccw(c144.244,91.415) 144.244,90.415 236.595,90.415 ; 143.245,91.313 143.245,123.905 cw(c144.245,123.905) 144.245,124.905 236.595,124.905 ; 144.594,114.04 236.468,114.046 ; 144.594,117.06 236.341,117.094 ; 236.56,90.415 ccw(c236.56,91.415) 237.56,91.415 ; 236.561,124.905 cw(c236.561,123.905) 237.561,123.905 237.561,91.44
  lines w0.2: 245.624,91.978 ccw(c246.724,91.978) 246.724,90.878 ; 245.624,91.997 245.624,123.778 ; 245.624,123.678 cw(c246.724,123.678) 246.724,124.778 ; 246.624,90.878 281.624,90.878 ; 246.624,124.778 281.624,124.778 ; 247.124,120.278 257.624,120.278 ; 266.124,109.878 269.124,109.878 ; 270.124,109.878 273.124,109.878 ; 271.124,120.278 281.324,120.278 ; 274.124,117.778 281.124,117.778 ; 278.024,109.878 281.024,109.878 ; 278.112,92.978 281.112,92.978 ; 278.112,94.978 281.112,94.978 ; 278.119,97.501 281.119,97.501 ; 278.124,99.478 281.124,99.478 ; 278.124,101.978 281.124,101.978 ; 278.124,103.978 281.124,103.978 ; 278.124,106.478 281.124,106.478 ; 278.124,115.778 281.124,115.778 ; 281.524,90.878 ccw(c281.524,91.978) 282.624,91.978 ; 281.524,124.778 cw(c281.524,123.678) 282.624,123.678 ; 282.624,91.997 282.624,123.778 ; 291.948,123.028 305.448,123.028
  text "TECHNOLOGY" at 292.048,123.528 h1.3
  text "MATERIAL SPECIFICATION" at 250.124,122.278 h1.3
  text "TRACK WIDTH:" at 292.048,120.778 h1.1
  text "0.20mm" at 306.548,120.778 h1.1
  text "SINGLESIDED" at 247.124,119.778 h1
  text "DOUBLESIDED" at 259.374,119.778 h1
  text "MULTILAYER" at 271.624,119.778 h1
  text "CLEARANCE:" at 292.048,118.528 h1.1
  text "0.20mm" at 306.548,118.528 h1.1
  text "Layer Stack Up Detail for:  / .PRJ_Title .VariantName" at 144.519,117.724 h1.6
  text "MATERIAL" at 247.124,117.278 h1.1
  text "FR4" at 258.124,117.278 h1.1
  text "TG130" at 267.124,117.278 h1.1
  text "TG280" at 275.124,117.278 h1.1
  text "ANNULAR RING:" at 292.048,116.278 h1.1
  text "0.25mm" at 306.548,116.278 h1.1
  text "Layer" at 144.619,115.935 h0.7
  text "Gerber" at 159.297,115.935 h0.7
  text "Copper" at 169.595,115.935 h0.7
  text "Dielectric" at 181.052,115.935 h0.7
  text "Dielectric" at 192.954,115.935 h0.7
  text "YES" at 274.124,115.278 h1.1
  text "NO" at 278.624,115.278 h1.1
  text "RoHS conform" at 247.154,115.197 h1.1
  text "Name" at 144.619,114.535 h0.7
  text "Document" at 159.297,114.535 h0.7
  text "Thickness" at 169.595,114.535 h0.7
  text "Height" at 181.052,114.535 h0.7
  text "Material" at 192.954,114.535 h0.7
  text "HOLE SIZE:" at 292.048,114.028 h1.1
  text "0.300mm" at 306.548,114.028 h1.1
  text "PCB THICKNESS mm" at 247.124,112.878 h1.1
  text "1.6" at 278.354,112.797 h1.1
  text "Top Overlay" at 144.669,111.865 h1
  text "(.GTO)" at 159.347,111.865 h1
  text "COPPER THICKNESS" at 247.124,110.378 h1.1
  text "9" at 267.124,109.378 h1.1
  text "18" at 270.624,109.378 h1.1
  text "35" at 274.624,109.378 h1.1
  text "70" at 278.624,109.378 h1.1
  text "AFTER PLATING um" at 247.124,108.378 h1.1
  text "Top Solder" at 144.669,107.865 h1
  text "(.GTS)" at 159.347,107.865 h1
  text "THROUGH PLATED BOARD" at 247.124,105.978 h1.1
  text "YES" at 274.124,105.978 h1.1
  text "NO" at 278.624,105.978 h1.1
  text "L1_Top" at 144.669,103.865 h1
  text "(.GTL)" at 159.347,103.865 h1
  text "0.035mm" at 169.645,103.865 h1
  text "SOLDER" at 247.124,103.478 h1.1
  text "GREEN" at 258.624,103.478 h1.1
  text "TOP" at 268.124,103.478 h1.1
  text "YES" at 274.124,103.478 h1.1
  text "NO" at 278.624,103.478 h1.1
  text "1.6mm" at 181.102,101.865 h1
  text "FR-4" at 192.953,101.865 h1
  text "MASK" at 247.124,101.478 h1.1
  text "GREEN" at 258.624,101.478 h1.1
  text "BOT" at 268.124,101.478 h1.1
  text "YES" at 274.124,101.478 h1.1
  text "NO" at 278.624,101.478 h1.1
  text "L2_Bot" at 144.669,99.941 h1
  text "(.GBL)" at 159.347,99.941 h1
  text "0.035mm" at 169.645,99.865 h1
  text "SILK-" at 247.124,98.978 h1.1
  text "WHITE" at 258.624,98.978 h1.1
  text "TOP" at 268.124,98.978 h1.1
  text "YES" at 274.124,98.978 h1.1
  text "NO" at 278.624,98.978 h1.1
  text "SCREEN" at 247.124,96.978 h1.1
  text "WHITE" at 258.624,96.978 h1.1
  text "BOT" at 268.124,96.978 h1.1
  text "YES" at 274.124,96.978 h1.1
  text "NO" at 278.624,96.978 h1.1
  text "Bottom Solder" at 144.669,95.865 h1
  text "(.GBS)" at 159.346,95.865 h1
  text "ELECTRICAL" at 261.124,94.478 h1.1
  text "YES" at 274.124,94.478 h1.1
  text "NO" at 278.624,94.478 h1.1
  text "TEST" at 247.124,93.478 h1.1
  text "AOI" at 264.624,92.478 h1.1
  text "YES" at 274.124,92.478 h1.1
  text "NO" at 278.624,92.478 h1.1
  text "Bottom Overlay" at 144.669,91.865 h1
  text "(.GBO)" at 159.347,91.865 h1

## Dimensions
0,0 to 0,175 on M11 (Dimension_Top)
0,0 to 90,0 on M11 (Dimension_Top)

## Text inside footprints (layer, text, board x,y; h text height)
C210: M13 (CMP_Body_OTL_Top) "+" at 11.328,93.396 h0.6 r180; M13 (CMP_Body_OTL_Top) "-" at 4.267,93.37 h0.6 r180
C212: M13 (CMP_Body_OTL_Top) "+" at 30.912,56.998 h0.6; M13 (CMP_Body_OTL_Top) "-" at 34.671,56.972 h0.6
C701: M13 (CMP_Body_OTL_Top) "+" at 59.131,57.556 h0.6 r180; M13 (CMP_Body_OTL_Top) "-" at 55.372,57.582 h0.6 r180
C715: M13 (CMP_Body_OTL_Top) "-" at 57.15,81.585 h0.6 r180; M13 (CMP_Body_OTL_Top) "+" at 60.909,81.559 h0.6 r180
D210: M13 (CMP_Body_OTL_Top) "K" at 5.575,23.317 h0.6; M13 (CMP_Body_OTL_Top) "A" at 6.54,23.343 h0.6
D550: M13 (CMP_Body_OTL_Top) "K" at 87.802,119.837 h0.6 r90; M13 (CMP_Body_OTL_Top) "A" at 87.776,120.802 h0.6 r90
D551: M13 (CMP_Body_OTL_Top) "A" at 87.776,116.23 h0.6 r90; M13 (CMP_Body_OTL_Top) "K" at 87.802,115.265 h0.6 r90
D552: M13 (CMP_Body_OTL_Top) "K" at 87.802,110.693 h0.6 r90; M13 (CMP_Body_OTL_Top) "A" at 87.776,111.658 h0.6 r90
D553: M13 (CMP_Body_OTL_Top) "K" at 87.802,106.121 h0.6 r90; M13 (CMP_Body_OTL_Top) "A" at 87.776,107.086 h0.6 r90
D741: M13 (CMP_Body_OTL_Top) "K" at 22.149,13.5 h0.6 r90; M13 (CMP_Body_OTL_Top) "A" at 22.123,14.465 h0.6 r90
D743: M13 (CMP_Body_OTL_Top) "K" at 37.421,13.538 h0.6 r90; M13 (CMP_Body_OTL_Top) "A" at 37.395,14.503 h0.6 r90
D745: M13 (CMP_Body_OTL_Top) "K" at 52.756,13.5 h0.6 r90; M13 (CMP_Body_OTL_Top) "A" at 52.73,14.465 h0.6 r90
D801: M13 (CMP_Body_OTL_Top) "K" at 51.734,137.871 h0.6 r90; M13 (CMP_Body_OTL_Top) "A" at 51.708,138.836 h0.6 r90
D803: M13 (CMP_Body_OTL_Top) "K" at 51.734,142.062 h0.6 r90; M13 (CMP_Body_OTL_Top) "A" at 51.708,143.027 h0.6 r90
D805: M13 (CMP_Body_OTL_Top) "K" at 51.861,153.746 h0.6 r90; M13 (CMP_Body_OTL_Top) "A" at 51.835,154.711 h0.6 r90
D807: M13 (CMP_Body_OTL_Top) "K" at 51.861,157.937 h0.6 r90; M13 (CMP_Body_OTL_Top) "A" at 51.835,158.902 h0.6 r90; M3 (ASY_Text_Top) "A" at 51.785,160.223 h0.5 r90; M3 (ASY_Text_Top) "K" at 51.81,156.69 h0.5 r90
R103: M13 (CMP_Body_OTL_Top) "V" at 76.048,22.885 h0.4 r270; M13 (CMP_Body_OTL_Top) "I" at 75.184,22.809 h0.4 r270; M13 (CMP_Body_OTL_Top) "I" at 75.159,25.248 h0.4 r270; M13 (CMP_Body_OTL_Top) "V" at 75.997,25.298 h0.4 r270
R211: M13 (CMP_Body_OTL_Top) "V" at 29.743,65.43 h0.4 r180; M13 (CMP_Body_OTL_Top) "I" at 29.667,66.294 h0.4 r180; M13 (CMP_Body_OTL_Top) "I" at 32.106,66.319 h0.4 r180; M13 (CMP_Body_OTL_Top) "V" at 32.156,65.481 h0.4 r180
R420: M13 (CMP_Body_OTL_Top) "V" at 32.995,38.151 h0.4; M13 (CMP_Body_OTL_Top) "I" at 33.045,37.313 h0.4; M13 (CMP_Body_OTL_Top) "I" at 35.484,37.338 h0.4; M13 (CMP_Body_OTL_Top) "V" at 35.408,38.202 h0.4
R421: M13 (CMP_Body_OTL_Top) "V" at 52.248,26.314 h0.4 r270; M13 (CMP_Body_OTL_Top) "I" at 51.41,26.264 h0.4 r270; M13 (CMP_Body_OTL_Top) "I" at 51.435,23.825 h0.4 r270; M13 (CMP_Body_OTL_Top) "V" at 52.299,23.901 h0.4 r270